# KiCad board OLD_PCB.kicad_pcb (continued)
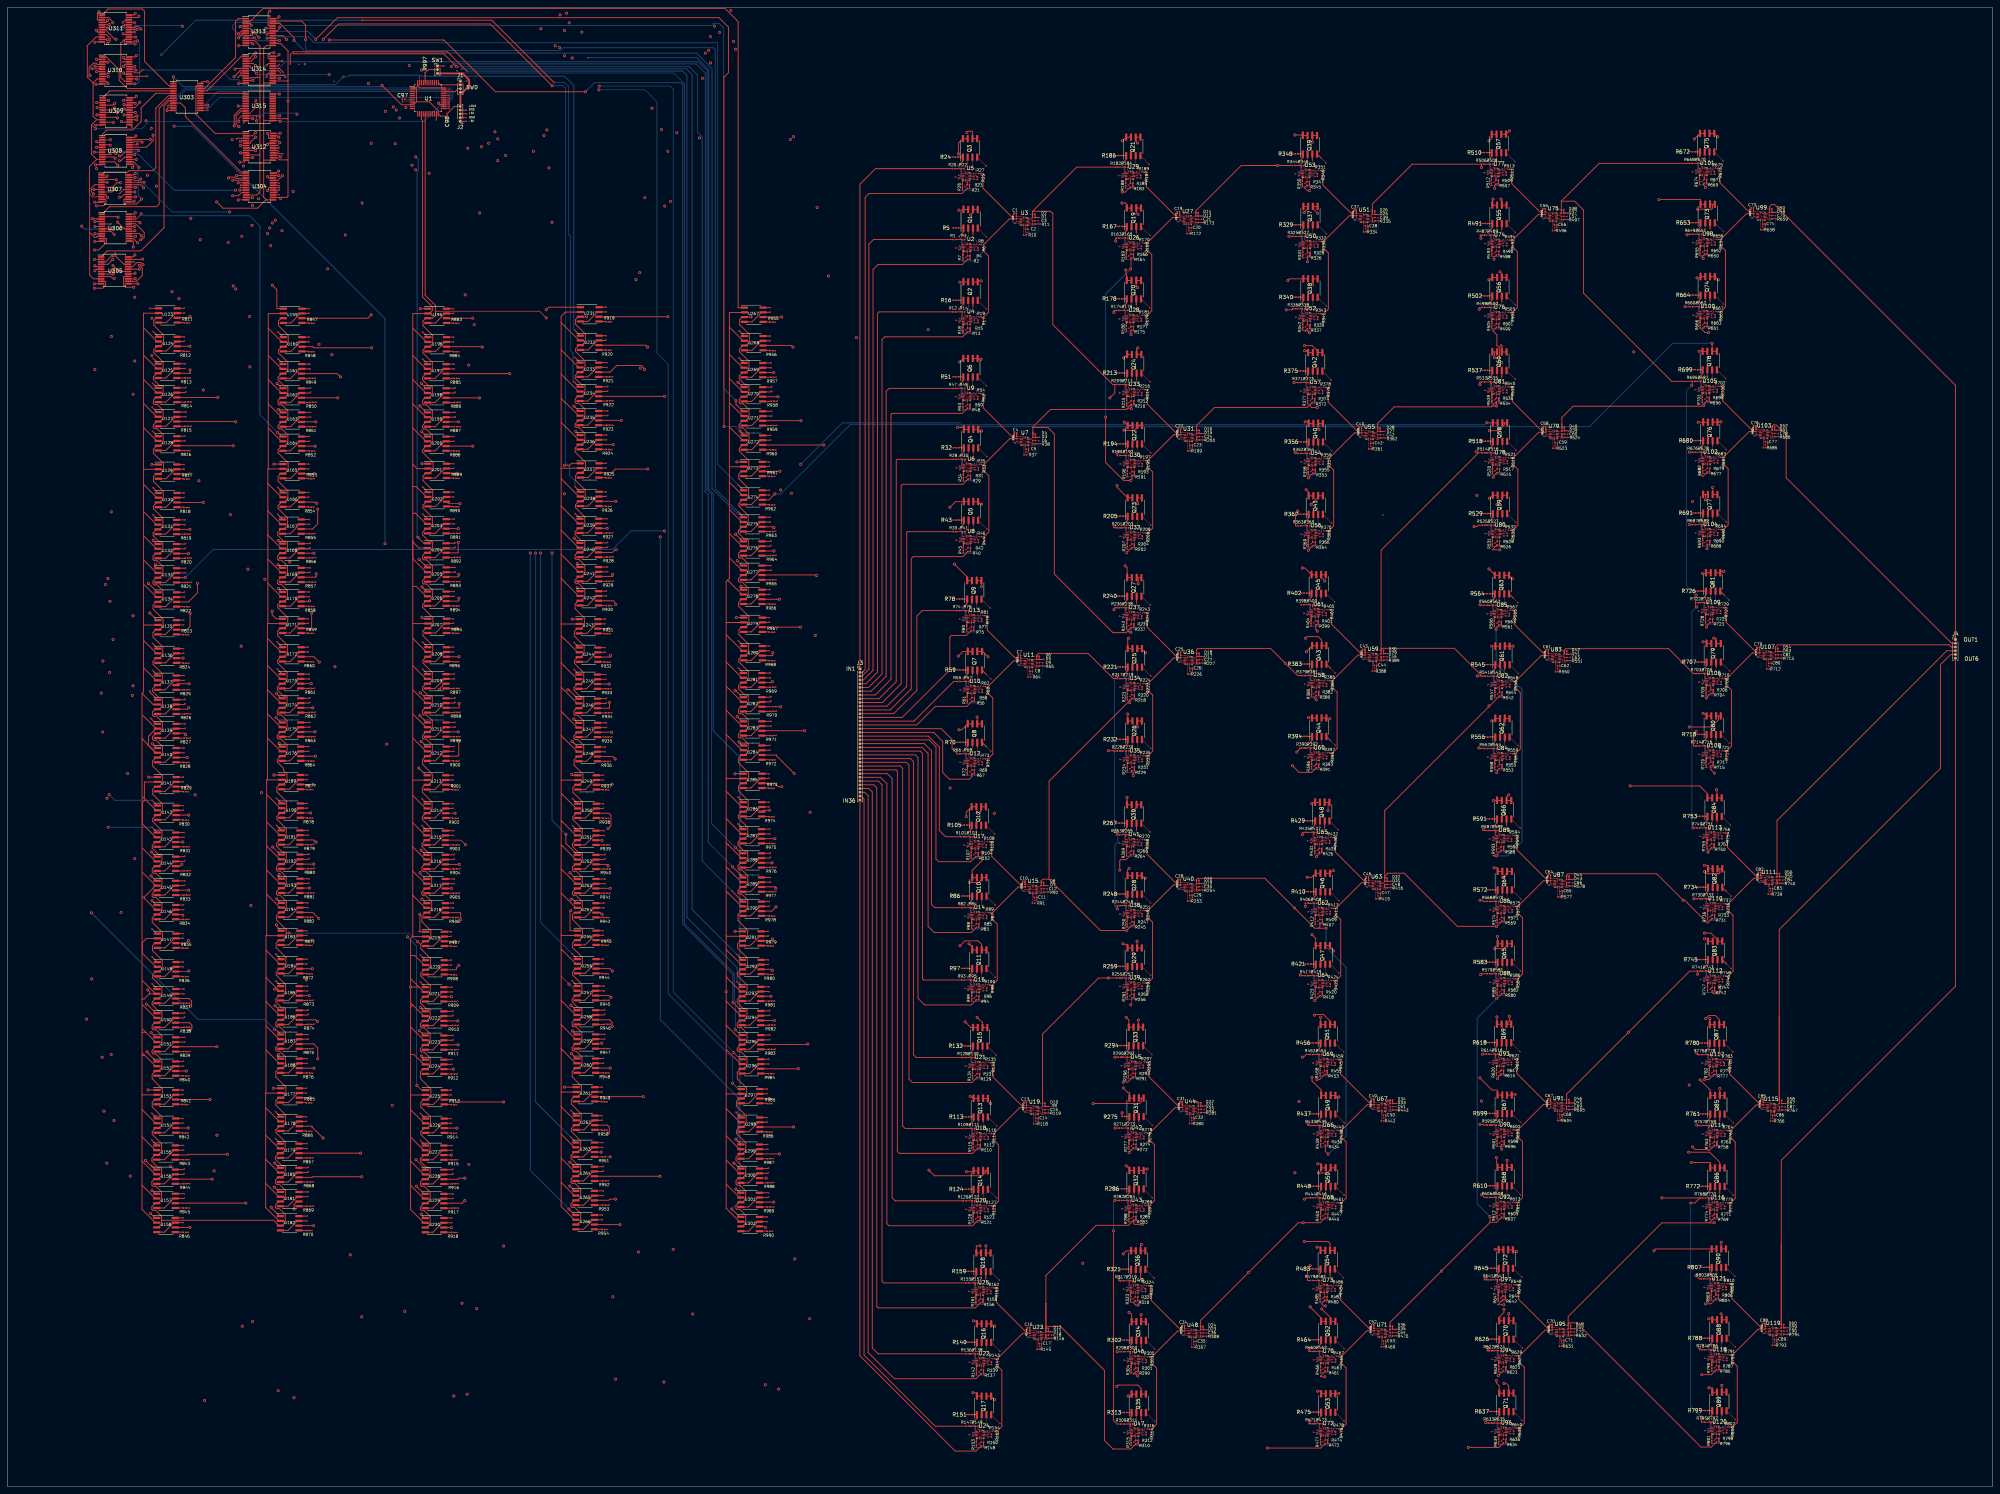
[diagram p0: board, top side]
## Routing (per net, layer and track width the routed paths; a pad name or vN(x,y) marks a point on that pad's centre or on a via; arc(x,y) is an arc through that point) (continued)
  Top w0.25: 398.37,193.36 398.37,193.36 R555.2
  In1.Cu w0.1: v1(403.4,197.78) 403.4,193.78 401.9,192.28 v1(397.8,192.28)
Net-(Q62B-S2): length 8.8
  Top w0.1: Q62.3 399.78,197.67 400.72,196.73 400.72,195.69 400.39,195.35 ; U84.11 399.13,195.35 400.39,195.35 ; 400.39,195.35 400.64,195.35 R557.2
  Top w0.25: 399.78,198.91 Q62.3
Net-(Q63A-G1): length 4.8
  Top w0.1: Q63.2 398.37,236.3 R562.2 397.42,234.53 U85.14
Net-(Q63A-S1): length 9.4
  Top w0.1: v1(395.95,232.63) 396.19,232.63 396.38,232.82 397.03,232.82 U85.4
  Top w0.25: v1(395.85,236.15) 397.1,237.39 Q63.1 397.06,238.45 R564.2
  Bottom w0.25: v1(395.85,236.15) 396.56,235.44 396.56,233.24 v1(395.95,232.63)
Net-(Q63B-G2): length 17.5
  Top w0.1: U85.7 398.23,232.22 398.23,231.03 397.75,230.55 v1(397.65,230.55) ; v1(403.25,236.05) 403.25,236.06 400.91,238.41
  Top w0.25: 402.08,237.23 Q63.4 ; 397.99,230.79 R563.2
  In1.Cu w0.1: v1(397.65,230.55) 401.75,230.55 403.25,232.05 v1(403.25,236.05)
Net-(Q63B-S2): length 7.6
  Top w0.1: Q63.3 399.64,235.93 400.58,234.99 400.58,233.95 400.24,233.61 ; U85.11 398.99,233.61 400.24,233.61 ; 400.24,233.61 400.5,233.61 R565.2
Net-(Q64A-G1): length 4.8
  Top w0.1: Q64.2 399.12,157.21 398.17,156.26 R570.2 398.17,155.45 398.57,155.05
Net-(Q64A-S1): length 9.4
  Top w0.1: v1(396.71,153.55) 396.95,153.55 397.13,153.74 397.78,153.74 U86.4
  Top w0.25: R572.2 397.82,159.36 Q64.1 397.85,158.31 v1(396.61,157.06)
  Bottom w0.25: v1(396.71,153.55) 397.31,154.16 397.31,156.36 v1(396.61,157.06)
Net-(Q64B-G2): length 15.5
  Top w0.1: v1(398.41,151.46) 398.5,151.46 R571.2 398.98,151.95 398.98,153.14 398.97,153.15 ; Q64.4 404.01,156.98 v1(404.01,156.96)
  In1.Cu w0.1: v1(404.01,156.96) 404.01,152.96 402.51,151.46 v1(398.41,151.46)
Net-(Q64B-S2): length 7.6
  Top w0.1: Q64.3 400.39,156.85 401.33,155.91 401.33,154.87 401,154.53 ; 401,154.53 401.26,154.53 401.74,154.04 ; 401,154.53 399.74,154.53 U86.11
  Top w0.25: 401.74,154.04 R573.2
Net-(Q65A-G1): length 4.8
  Top w0.1: U88.14 398.17,136.12 R581.2 399.12,137.89 Q65.2
Net-(Q65A-S1): length 9.4
  Top w0.1: 397.81,134.38 397.78,134.41 397.13,134.41 396.94,134.23 v1(396.7,134.23)
  Top w0.25: v1(396.6,137.74) 397.85,138.98 Q65.1 397.81,140.04 396.52,140.04 R583.2
  Bottom w0.25: v1(396.6,137.74) 397.31,137.04 397.31,134.83 v1(396.7,134.23)
Net-(Q65B-G2): length 15.5
  Top w0.1: v1(398.4,132.14) 398.5,132.14 R582.2 398.98,133.81 U88.7 ; v1(404,137.64) 404,137.66 Q65.4
  In1.Cu w0.1: v1(398.4,132.14) 402.5,132.14 404,133.64 v1(404,137.64)
Net-(Q65B-S2): length 7.6
  Top w0.1: 400.99,135.2 399.74,135.2 399.71,135.18 ; 400.99,135.2 401.25,135.2 R584.2 ; 400.99,135.2 401.33,135.54 401.33,136.58 400.39,137.52 Q65.3
Net-(Q66A-G1): length 4.9
  Top w0.1: U89.14 398.03,174.38 R589.2 398.98,176.15 398.98,178.26
  Top w0.25: 398.07,175.24 R589.2 ; Q66.2 398.98,178.26
Net-(Q66A-S1): length 9.4
  Top w0.1: v1(396.56,172.49) 396.8,172.49 396.99,172.67 397.64,172.67 U89.4
  Top w0.25: v1(396.46,176) 397.71,177.25 397.71,178.26 Q66.1 397.67,178.3 R591.2
  Bottom w0.25: v1(396.46,176) 397.16,175.3 397.16,173.09 v1(396.56,172.49)
Net-(Q66B-G2): length 15.9
  Top w0.1: 401.52,178.26 403.86,175.92 v1(403.86,175.9) ; v1(398.26,170.4) 398.35,170.4 398.83,170.88 398.83,172.08 U89.7
  Top w0.25: 398.59,170.64 R590.2 ; Q66.4 401.52,178.26
  In1.Cu w0.1: v1(403.86,175.9) 403.86,171.9 402.36,170.4 v1(398.26,170.4)
Net-(Q66B-S2): length 9.3
  Top w0.1: 400.85,173.47 399.59,173.47 U89.11 ; 400.85,173.47 401.19,173.8 401.19,174.84 400.25,175.78 400.25,178.26 ; 400.85,173.47 401.11,173.47 R592.2
  Top w0.25: Q66.3 400.25,176.48
Net-(Q67A-G1): length 4.8
  Top w0.1: Q67.2 399.1,97.49 R597.2 398.15,95.72 U90.14
Net-(Q67A-S1): length 9.4
  Top w0.1: 397.79,93.98 397.76,94.01 397.11,94.01 396.92,93.83 v1(396.68,93.83)
  Top w0.25: v1(396.58,97.34) 397.83,98.58 Q67.1 397.79,99.64 396.5,99.64 R599.2
  Bottom w0.25: v1(396.58,97.34) 397.29,96.64 397.29,94.43 v1(396.68,93.83)
Net-(Q67B-G2): length 15.5
  Top w0.1: Q67.4 403.98,97.26 v1(403.98,97.24) ; v1(398.38,91.74) 398.48,91.74 R598.2 398.96,93.42 U90.7
  In1.Cu w0.1: v1(403.98,97.24) 403.98,93.24 402.48,91.74 v1(398.38,91.74)
Net-(Q67B-S2): length 7.6
  Top w0.1: Q67.3 400.37,97.12 401.31,96.18 401.31,95.14 400.97,94.8 ; R600.2 401.23,94.8 400.97,94.8 ; 400.97,94.8 399.72,94.8 399.69,94.78
Net-(Q68A-G1): length 4.8
  Top w0.1: 399.09,80.28 399.09,78.16 R608.2 398.14,76.4 U92.14
Net-(Q68A-S1): length 9.4
  Top w0.1: v1(396.68,74.5) 396.92,74.5 397.1,74.69 397.75,74.69 397.79,74.65
  Top w0.25: v1(396.58,78.01) 397.82,79.26 397.82,80.28 397.79,80.31 R610.2
  Bottom w0.25: v1(396.58,78.01) 397.28,77.31 397.28,75.11 v1(396.68,74.5)
Net-(Q68B-G2): length 15.5
  Top w0.1: v1(403.98,77.91) 403.98,77.93 401.63,80.28 ; U92.7 398.95,74.09 398.95,72.9 R609.2 398.47,72.41 v1(398.38,72.41)
  In1.Cu w0.1: v1(403.98,77.91) 403.98,73.91 402.48,72.41 v1(398.38,72.41)
Net-(Q68B-S2): length 7.6
  Top w0.1: R611.2 401.23,75.48 400.97,75.48 ; 400.97,75.48 399.71,75.48 399.69,75.45 ; 400.97,75.48 401.3,75.82 401.3,76.86 400.36,77.8 400.36,80.28
Net-(Q69A-G1): length 4.9
  Top w0.1: U93.14 398,114.66 R616.2 398.95,116.42 398.95,118.54
  Top w0.25: Q69.2 398.95,118.54 ; 398.04,115.51 398.04,115.51 R616.2
Net-(Q69A-S1): length 9.4
  Top w0.1: U93.4 397.61,112.95 396.96,112.95 396.77,112.76 v1(396.53,112.76)
  Top w0.25: v1(396.44,116.28) 397.68,117.52 Q69.1 397.64,118.58 R618.2
  Bottom w0.25: v1(396.53,112.76) 397.14,113.37 397.14,115.57 v1(396.44,116.28)
Net-(Q69B-G2): length 15.9
  Top w0.1: U93.7 398.81,112.35 R617.2 398.33,110.68 v1(398.23,110.68) ; v1(403.83,116.18) 403.83,116.19 401.49,118.54
  Top w0.25: Q69.4 401.49,118.54 ; 398.57,110.92 R617.2
  In1.Cu w0.1: v1(398.23,110.68) 402.33,110.68 403.83,112.18 v1(403.83,116.18)
Net-(Q69B-S2): length 9.3
  Top w0.1: 399.54,113.72 399.57,113.74 400.82,113.74 ; Q69.3 400.22,116.06 401.16,115.12 401.16,114.08 400.82,113.74 ; 401.57,113.25 R619.2 401.08,113.74 400.82,113.74
  Top w0.25: 400.22,116.76 400.22,116.76 Q69.3
Net-(Q70A-G1): length 4.8
  Top w0.1: 399.01,35.05 398.61,35.45 R624.2 398.61,36.26 399.56,37.21 Q70.2
Net-(Q70A-S1): length 9.4
  Top w0.1: v1(397.15,33.55) 397.39,33.55 397.57,33.74 398.22,33.74 U94.4
  Top w0.25: R626.2 398.26,39.36 Q70.1 398.29,38.31 v1(397.05,37.06)
  Bottom w0.25: v1(397.05,37.06) 397.75,36.36 397.75,34.16 v1(397.15,33.55)
Net-(Q70B-G2): length 15.5
  Top w0.1: v1(404.45,36.96) 404.45,36.98 Q70.4 ; 399.41,33.15 399.42,33.14 399.42,31.95 R625.2 398.94,31.46 v1(398.85,31.46)
  In1.Cu w0.1: v1(398.85,31.46) 402.95,31.46 404.45,32.96 v1(404.45,36.96)
Net-(Q70B-S2): length 7.6
  Top w0.1: 401.44,34.53 401.77,34.87 401.77,35.91 400.83,36.85 Q70.3 ; 401.44,34.53 401.7,34.53 402.18,34.04 ; 401.44,34.53 400.18,34.53 U94.11
  Top w0.25: 402.18,34.04 R627.2
Net-(Q71A-G1): length 4.8
  Top w0.1: U96.14 398.61,16.12 R635.2 399.56,17.89 Q71.2
Net-(Q71A-S1): length 9.4
  Top w0.1: 398.25,14.38 398.22,14.41 397.57,14.41 397.38,14.23 v1(397.14,14.23)
  Top w0.25: v1(397.04,17.74) 398.29,18.98 Q71.1 398.25,20.04 396.96,20.04 R637.2
  Bottom w0.25: v1(397.04,17.74) 397.75,17.04 397.75,14.83 v1(397.14,14.23)
Net-(Q71B-G2): length 15.5
  Top w0.1: Q71.4 404.44,17.66 v1(404.44,17.64) ; U96.7 399.42,13.81 R636.2 398.94,12.14 v1(398.84,12.14)
  In1.Cu w0.1: v1(398.84,12.14) 402.94,12.14 404.44,13.64 v1(404.44,17.64)
Net-(Q71B-S2): length 7.6
  Top w0.1: 401.43,15.2 401.69,15.2 R638.2 ; 401.43,15.2 400.18,15.2 400.15,15.18 ; 401.43,15.2 401.77,15.54 401.77,16.58 400.83,17.52 Q71.3
Net-(Q72A-G1): length 4.9
  Top w0.1: 399.42,58.26 399.42,56.15 R643.2 398.47,54.38 U97.14
  Top w0.25: Q72.2 399.42,58.26 ; 398.51,55.24 R643.2
Net-(Q72A-S1): length 9.4
  Top w0.1: v1(397,52.49) 397.24,52.49 397.43,52.67 398.08,52.67 U97.4
  Top w0.25: v1(396.9,56) 398.15,57.25 398.15,58.26 Q72.1 398.11,58.3 R645.2
  Bottom w0.25: v1(396.9,56) 397.6,55.3 397.6,53.09 v1(397,52.49)
Net-(Q72B-G2): length 15.9
  Top w0.1: 401.96,58.26 404.3,55.92 v1(404.3,55.9) ; v1(398.7,50.4) 398.79,50.4 399.27,50.88 399.27,52.08 U97.7
  Top w0.25: 399.03,50.64 R644.2 ; Q72.4 401.96,58.26
  In1.Cu w0.1: v1(398.7,50.4) 402.8,50.4 404.3,51.9 v1(404.3,55.9)
Net-(Q72B-S2): length 9.3
  Top w0.1: U97.11 400.03,53.47 401.29,53.47 ; R646.2 401.55,53.47 401.29,53.47 ; 400.69,58.26 400.69,55.78 401.62,54.84 401.62,53.8 401.29,53.47
  Top w0.25: Q72.3 400.69,56.48
Net-(Q73A-G1): length 4.8
  Top w0.1: 452.76,333.22 452.36,333.61 R651.2 453.31,335.38 Q73.2
Net-(Q73A-S1): length 9.4
  Top w0.1: v1(450.9,331.72) 451.14,331.72 451.32,331.9 451.97,331.9 U98.4
  Top w0.25: R653.2 452.01,337.53 Q73.1 452.04,336.47 v1(450.8,335.23)
  Bottom w0.25: v1(450.8,335.23) 451.5,334.52 451.5,332.32 v1(450.9,331.72)
Net-(Q73B-G2): length 15.7
  Top w0.1: Q73.4 455.88,337.47 458.2,335.14 v1(458.2,335.13) ; 453.16,331.32 453.17,331.3 R652.2 452.69,329.63 v1(452.6,329.63)
  Top w0.25: 453.07,330 R652.2 ; Q73.4 455.88,337.47
  In1.Cu w0.1: v1(458.2,335.13) 458.2,331.13 456.7,329.63 v1(452.6,329.63)
Net-(Q73B-S2): length 9.1
  Top w0.1: Q73.3 454.58,335.01 455.52,334.07 455.52,333.03 455.19,332.69 ; 455.93,332.21 455.44,332.69 455.19,332.69 ; U98.11 453.93,332.69 455.19,332.69
  Top w0.25: Q73.3 454.58,335.96
Net-(Q74A-G1): length 4.8
  Top w0.1: U100.14 452.36,314.29 R662.2 453.31,316.05 453.31,318.16
  Top w0.25: Q74.2 453.31,318.16
Net-(Q74A-S1): length 9.4
  Top w0.1: U100.4 451.97,312.58 451.32,312.58 451.13,312.39 v1(450.89,312.39)
  Top w0.25: R664.2 452,318.2 Q74.1 452.04,317.15 v1(450.79,315.9)
  Bottom w0.25: v1(450.79,315.9) 451.5,315.2 451.5,313 v1(450.89,312.39)
Net-(Q74B-G2): length 15.7
  Top w0.1: v1(458.19,315.8) 458.19,315.82 455.87,318.14 455.85,318.16 ; U100.7 453.17,311.98 R663.2 452.69,310.3 v1(452.59,310.3)
  Top w0.25: Q74.4 455.87,318.14 ; 453.06,310.68 R663.2
  In1.Cu w0.1: v1(458.19,315.8) 458.19,311.8 456.69,310.3 v1(452.59,310.3)
Net-(Q74B-S2): length 9.1
  Top w0.1: 455.18,313.37 453.93,313.37 U100.11 ; 455.18,313.37 455.44,313.37 R665.2 ; 455.18,313.37 455.52,313.7 455.52,314.75 454.58,315.69 Q74.3
  Top w0.25: Q74.3 454.58,316.63 454.58,316.63
Net-(Q75A-G1): length 4.8
  Top w0.1: 452.61,352.15 452.21,352.55 R670.2 453.16,354.31 Q75.2
Net-(Q75A-S1): length 9.4
  Top w0.1: v1(450.75,350.65) 450.99,350.65 451.17,350.84 451.82,350.84 U101.4
  Top w0.25: R672.2 451.86,356.46 Q75.1 451.89,355.41 v1(450.65,354.16)
  Bottom w0.25: v1(450.65,354.16) 451.35,353.46 451.35,351.26 v1(450.75,350.65)
Net-(Q75B-G2): length 16.1
  Top w0.1: Q75.4 458.05,354.08 v1(458.05,354.06) ; 453.01,350.25 453.02,350.24 453.02,349.04 452.54,348.56 v1(452.45,348.56)
  Top w0.25: 453.02,349.64 453.02,349.64 R671.2
  In1.Cu w0.1: v1(458.05,354.06) 458.05,350.06 456.55,348.56 v1(452.45,348.56)
Net-(Q75B-S2): length 7.9
  Top w0.1: 454.44,356.43 454.44,353.95 455.38,353.01 455.38,351.97 455.04,351.63 ; U101.11 453.78,351.63 455.04,351.63 ; 455.78,351.14 455.3,351.63 455.04,351.63
  Top w0.25: 455.54,351.39 R673.2
Net-(Q76A-G1): length 5.2
  Top w0.1: 453.46,275.02 453.06,275.41 453.06,276.23 454.01,277.18 Q76.2
  Top w0.25: 453.06,275.82 R678.2
Net-(Q76A-S1): length 9.9
  Top w0.1: U102.4 452.67,273.7 452.02,273.7 451.84,273.52 v1(451.6,273.52)
  Top w0.25: 452.74,278.78 452.74,278.27 v1(451.5,277.03) ; 452.74,278.78 Q76.1 ; 452.74,278.78 Q76.1 ; Q76.1 452.71,279.33 451.42,279.33
  Bottom w0.25: v1(451.5,277.03) 452.2,276.32 452.2,274.12 v1(451.6,273.52)
Net-(Q76B-G2): length 15.5
  Top w0.1: v1(458.9,276.93) 458.9,276.94 Q76.4 ; v1(453.3,271.43) 453.39,271.43 R679.2 453.87,273.1 453.86,273.12
  In1.Cu w0.1: v1(453.3,271.43) 457.4,271.43 458.9,272.93 v1(458.9,276.93)
Net-(Q76B-S2): length 8.8
  Top w0.1: U102.11 454.63,274.49 455.89,274.49 ; 455.89,274.49 456.22,274.83 456.22,275.87 455.28,276.81 Q76.3 ; 455.89,274.49 456.14,274.49 456.63,274.01
  Top w0.25: 455.28,278.05 Q76.3
Net-(Q77A-G1): length 6.3
  Top w0.1: 454.01,259.96 454.01,257.85 R689.2 453.06,256.09 U104.14
  Top w0.25: 454.01,258.91 454.01,258.91 Q77.2 ; 453.06,256.49 R689.2
Net-(Q77A-S1): length 9.9
  Top w0.1: v1(451.59,254.19) 451.83,254.19 452.02,254.38 452.67,254.38 452.7,254.34
  Top w0.25: 451.41,260 452.7,260 Q77.1 ; Q77.1 452.74,259.46 ; Q77.1 452.74,259.46 ; v1(451.49,257.7) 452.74,258.95 452.74,259.46
  Bottom w0.25: v1(451.59,254.19) 452.2,254.8 452.2,257 v1(451.49,257.7)
Net-(Q77B-G2): length 15.5
  Top w0.1: Q77.4 458.89,257.62 v1(458.89,257.6) ; v1(453.29,252.1) 453.39,252.1 R690.2 453.87,253.78 U104.7
  In1.Cu w0.1: v1(453.29,252.1) 457.39,252.1 458.89,253.6 v1(458.89,257.6)
Net-(Q77B-S2): length 8.8
  Top w0.1: 455.88,255.17 456.22,255.51 456.22,256.55 455.28,257.49 Q77.3 ; 455.88,255.17 456.14,255.17 R692.2 ; 455.88,255.17 454.63,255.17 454.6,255.14
  Top w0.25: Q77.3 455.28,258.73 455.28,258.73
Net-(Q78A-G1): length 4.8
  Top w0.1: 453.31,293.95 452.91,294.35 R697.2 452.91,295.16 453.86,296.11 453.86,298.23
Net-(Q78A-S1): length 9.4
  Top w0.1: v1(451.45,292.45) 451.69,292.45 451.88,292.64 452.52,292.64 U105.4
  Top w0.25: v1(451.35,295.96) 452.59,297.21 Q78.1 452.56,298.26 R699.2
  Bottom w0.25: v1(451.35,295.96) 452.05,295.26 452.05,293.06 v1(451.45,292.45)
Net-(Q78B-G2): length 15.5
  Top w0.1: v1(458.75,295.86) 458.75,295.88 Q78.4 ; v1(453.15,290.36) 453.24,290.36 R698.2 453.72,290.85 453.72,292.04 453.71,292.05
  In1.Cu w0.1: v1(453.15,290.36) 457.25,290.36 458.75,291.86 v1(458.75,295.86)
Net-(Q78B-S2): length 7.6
  Top w0.1: 455.74,293.43 456.07,293.77 456.07,294.81 455.13,295.75 Q78.3 ; 455.74,293.43 456,293.43 456.48,292.94 ; 455.74,293.43 454.48,293.43 U105.11
  Top w0.25: 456.48,292.94 R700.2
Net-(Q79A-G1): length 4.8
  Top w0.1: U106.14 453.97,216.3 453.97,217.11 R705.2 454.92,218.06 Q79.2
Net-(Q79A-S1): length 9.4
  Top w0.1: v1(452.5,214.4) 452.74,214.4 452.93,214.59 453.58,214.59 U106.4
  Top w0.25: Q79.1 453.65,220.17 ; 453.65,220.17 453.61,220.21 R707.2 ; 453.65,220.17 453.65,219.16 v1(452.4,217.91)
  Bottom w0.25: v1(452.5,214.4) 453.11,215 453.11,217.21 v1(452.4,217.91)
Net-(Q79B-G2): length 16.1
  Top w0.1: U106.7 454.78,213.99 454.78,212.79 454.3,212.31 v1(454.2,212.31) ; Q79.4 459.8,217.83 v1(459.8,217.81)
  Top w0.25: 454.78,213.39 454.78,213.39 R706.2
  In1.Cu w0.1: v1(454.2,212.31) 458.3,212.31 459.8,213.81 v1(459.8,217.81)
Net-(Q79B-S2): length 8.8
  Top w0.1: U106.11 455.54,215.38 456.79,215.38 ; 456.19,220.17 456.19,217.69 457.13,216.75 457.13,215.71 456.79,215.38 ; 456.79,215.38 457.05,215.38 R708.2
  Top w0.25: Q79.3 456.19,218.93 456.19,218.93
Net-(Q80A-G1): length 4.8
  Top w0.1: Q80.2 454.91,198.73 R716.2 453.96,196.97 454.36,196.58
Net-(Q80A-S1): length 9.4
  Top w0.1: 453.61,195.23 453.57,195.26 452.92,195.26 452.74,195.07 v1(452.5,195.07)
  Top w0.25: v1(452.4,198.59) 453.64,199.83 453.64,200.85 ; 453.64,200.85 453.61,200.89 452.32,200.89 ; 453.64,200.85 Q80.1
  Bottom w0.25: v1(452.5,195.07) 453.1,195.68 453.1,197.88 v1(452.4,198.59)
Net-(Q80B-G2): length 16.1
  Top w0.1: Q80.4 459.8,198.5 v1(459.8,198.49) ; 454.76,194.68 454.77,194.66 R717.2 454.29,192.99 v1(454.2,192.99)
  Top w0.25: 454.77,194.06 R717.2
  In1.Cu w0.1: v1(459.8,198.49) 459.8,194.49 458.3,192.99 v1(454.2,192.99)
Net-(Q80B-S2): length 8.8
  Top w0.1: 456.79,196.05 457.12,196.39 457.12,197.43 456.18,198.37 456.18,200.85 ; 456.79,196.05 455.53,196.05 455.51,196.03 ; 456.79,196.05 457.04,196.05 R719.2
  Top w0.25: 456.18,199.61 Q80.3
Net-(Q81A-G1): length 4.8
  Top w0.1: U109.14 453.82,235.23 R724.2 454.77,237 Q81.2
Net-(Q81A-S1): length 9.4
  Top w0.1: 453.46,233.49 453.43,233.52 452.78,233.52 452.59,233.34 v1(452.35,233.34)
  Top w0.25: R726.2 452.17,239.15 453.46,239.15 Q81.1 453.5,238.09 v1(452.25,236.85)
  Bottom w0.25: v1(452.25,236.85) 452.96,236.14 452.96,233.94 v1(452.35,233.34)
Net-(Q81B-G2): length 17.5
  Top w0.1: v1(459.65,236.75) 459.65,236.76 Q81.4 ; U109.7 454.63,232.92 R725.2 454.15,231.25 v1(454.05,231.25)
  Top w0.25: 458.48,237.94 Q81.4 ; 454.39,231.49 R725.2
  In1.Cu w0.1: v1(454.05,231.25) 458.15,231.25 459.65,232.75 v1(459.65,236.75)
Net-(Q81B-S2): length 7.6
  Top w0.1: Q81.3 456.04,236.63 456.98,235.69 456.98,234.65 456.64,234.31 ; 456.64,234.31 456.9,234.31 R727.2 ; 456.64,234.31 455.39,234.31 455.36,234.29
Net-(Q82A-G1): length 4.8
  Top w0.1: U110.14 454.35,156.15 R732.2 455.3,157.91 Q82.2
Net-(Q82A-S1): length 9.4
  Top w0.1: v1(452.89,154.25) 453.13,154.25 453.31,154.44 453.96,154.44 U110.4
  Top w0.25: v1(452.79,157.76) 454.03,159.01 Q82.1 453.99,160.06 R734.2
  Bottom w0.25: v1(452.89,154.25) 453.49,154.85 453.49,157.06 v1(452.79,157.76)
Net-(Q82B-G2): length 17.5
  Top w0.1: U110.7 455.16,153.84 455.16,152.64 454.68,152.16 v1(454.59,152.16) ; v1(460.19,157.66) 460.19,157.68 457.84,160.02
  Top w0.25: 459.01,158.85 Q82.4 ; 454.92,152.4 R733.2
  In1.Cu w0.1: v1(454.59,152.16) 458.69,152.16 460.19,153.66 v1(460.19,157.66)
Net-(Q82B-S2): length 7.6
  Top w0.1: 457.17,155.23 457.51,155.56 457.51,156.61 456.57,157.55 Q82.3 ; 457.17,155.23 457.43,155.23 R735.2 ; 457.17,155.23 455.92,155.23 U110.11
Net-(Q83A-G1): length 4.8
  Top w0.1: 454.74,136.43 454.35,136.82 R743.2 455.3,138.59 Q83.2
Net-(Q83A-S1): length 9.4
  Top w0.1: v1(452.88,134.93) 453.12,134.93 453.31,135.11 453.96,135.11 U112.4
  Top w0.25: R745.2 453.99,140.74 Q83.1 454.03,139.68 v1(452.78,138.44)
  Bottom w0.25: v1(452.78,138.44) 453.48,137.73 453.48,135.53 v1(452.88,134.93)
Net-(Q83B-G2): length 17.5
  Top w0.1: Q83.4 460.18,138.35 v1(460.18,138.34) ; v1(454.58,132.84) 454.67,132.84 455.15,133.32 455.15,134.51 U112.7
  Top w0.25: 454.91,133.08 R744.2 ; 459.01,139.53 Q83.4
  In1.Cu w0.1: v1(460.18,138.34) 460.18,134.34 458.68,132.84 v1(454.58,132.84)
Net-(Q83B-S2): length 7.6
  Top w0.1: 457.17,135.9 457.51,136.24 457.51,137.28 456.57,138.22 Q83.3 ; 457.17,135.9 455.92,135.9 U112.11 ; 457.17,135.9 457.43,135.9 457.91,135.42
  Top w0.25: 457.91,135.42 R746.2
Net-(Q84A-G1): length 6.3
  Top w0.1: Q84.2 455.15,176.85 454.2,175.9 454.2,175.08 U113.14
  Top w0.25: R751.2 454.2,175.49 454.2,175.49 ; 455.15,177.9 Q84.2
Net-(Q84A-S1): length 9.9
  Top w0.15: U113.4 453.39,173.34 453.36,173.31 452.86,173.31 v1(452.74,173.19)
  Top w0.25: v1(452.64,176.7) 453.88,177.94 453.88,178.45 ; Q84.1 453.88,178.45 453.88,178.45 ; 453.88,178.45 453.88,178.96 453.84,179 452.56,179 ; 452.56,179 R753.2 452.56,179
  Bottom w0.25: v1(452.64,176.7) 453.34,175.99 453.34,173.79 v1(452.74,173.19)
Net-(Q84B-G2): length 15.5
  Top w0.1: v1(454.44,171.1) 454.53,171.1 455.01,171.58 455.01,172.77 U113.7 ; Q84.4 460.04,176.62 v1(460.04,176.6)
  In1.Cu w0.1: v1(454.44,171.1) 458.54,171.1 460.04,172.6 v1(460.04,176.6)
Net-(Q84B-S2): length 8.8
  Top w0.1: U113.11 455.77,174.16 457.02,174.16 ; 457.02,174.16 457.28,174.16 R754.2 ; 457.02,174.16 457.36,174.5 457.36,175.54 456.42,176.48 456.42,178.96
  Top w0.25: Q84.3 456.42,177.72 456.42,177.72
Net-(Q85A-G1): length 4.9
  Top w0.1: U114.14 454.97,95.58 R759.2 455.92,97.35 455.92,99.46
  Top w0.25: Q85.2 455.92,99.46 ; 455.01,96.44 R759.2
Net-(Q85A-S1): length 9.4
  Top w0.1: U114.4 454.58,93.87 453.93,93.87 453.74,93.69 v1(453.5,93.69)
  Top w0.25: R761.2 454.61,99.5 Q85.1 454.65,99.46 454.65,98.45 v1(453.4,97.2)
  Bottom w0.25: v1(453.5,93.69) 454.1,94.29 454.1,96.5 v1(453.4,97.2)
Net-(Q85B-G2): length 15.9
  Top w0.1: 458.46,99.46 460.8,97.12 v1(460.8,97.1) ; U114.7 455.77,93.28 455.77,92.08 455.29,91.6 v1(455.2,91.6)
  Top w0.25: Q85.4 458.46,99.46 ; 455.53,91.84 R760.2
  In1.Cu w0.1: v1(460.8,97.1) 460.8,93.1 459.3,91.6 v1(455.2,91.6)
Net-(Q85B-S2): length 9.3
  Top w0.1: 457.79,94.67 458.12,95 458.12,96.04 457.19,96.98 457.19,99.46 ; 457.79,94.67 456.53,94.67 U114.11 ; 457.79,94.67 458.05,94.67 R762.2
  Top w0.25: Q85.3 457.19,97.68
Net-(Q86A-G1): length 4.9
  Top w0.1: 455.91,80.14 455.91,78.02 R770.2 454.96,76.26 U116.14
  Top w0.25: 455,77.11 455,77.11 R770.2 ; Q86.2 455.91,80.14
Net-(Q86A-S1): length 9.4
  Top w0.1: U116.4 454.57,74.55 453.92,74.55 453.73,74.36 v1(453.5,74.36)
  Top w0.25: v1(453.39,77.88) 454.64,79.12 Q86.1 454.6,80.18 R772.2
  Bottom w0.25: v1(453.39,77.88) 454.1,77.17 454.1,74.97 v1(453.5,74.36)
Net-(Q86B-G2): length 15.9
  Top w0.1: v1(460.79,77.78) 460.79,77.79 458.45,80.14 ; v1(455.19,72.28) 455.29,72.28 R771.2 455.77,73.95 455.75,73.97
  Top w0.25: Q86.4 458.45,80.14 ; 455.53,72.52 R771.2
  In1.Cu w0.1: v1(455.19,72.28) 459.29,72.28 460.79,73.78 v1(460.79,77.78)
Net-(Q86B-S2): length 9.3
  Top w0.1: 457.78,75.34 456.53,75.34 U116.11 ; 457.78,75.34 458.04,75.34 R773.2 458.53,74.85 ; 457.78,75.34 458.12,75.68 458.12,76.72 457.18,77.66 Q86.3
  Top w0.25: 457.18,78.36 457.18,78.36 Q86.3
Net-(Q87A-G1): length 4.8
  Top w0.1: 455.77,118.4 455.77,116.29 R778.2 454.82,114.52 455.21,114.13
  Top w0.25: Q87.2 455.77,118.4
Net-(Q87A-S1): length 9.4
  Top w0.1: v1(453.35,112.62) 453.59,112.62 453.78,112.81 454.43,112.81 U117.4
  Top w0.25: v1(453.25,116.14) 454.5,117.38 454.5,118.4 Q87.1 454.46,118.44 453.17,118.44
  Bottom w0.25: v1(453.35,112.62) 453.95,113.23 453.95,115.43 v1(453.25,116.14)
Net-(Q87B-G2): length 15.6
  Top w0.1: v1(460.65,116.04) 460.65,116.05 458.33,118.37 458.31,118.4 ; 455.61,112.23 455.62,112.21 R779.2 455.62,111.02 455.14,110.54 v1(455.05,110.54)
  Top w0.25: Q87.4 458.33,118.38 458.33,118.37
  In1.Cu w0.1: v1(455.05,110.54) 459.15,110.54 460.65,112.04 v1(460.65,116.04)
Net-(Q87B-S2): length 11.4
  Top w0.1: 457.64,113.6 457.9,113.6 R781.2 ; 457.64,113.6 456.38,113.6 U117.11 ; 457.64,113.6 457.98,113.94 457.98,114.98 457.74,115.21 457.04,115.92 457.04,118.4
  Top w0.25: 457.74,115.21 457.04,115.92 Q87.3 ; 458.14,113.36 R781.2
Net-(Q88A-G1): length 6.3
  Top w0.1: U118.14 455.5,35.7 R786.2 456.45,37.46 456.45,39.58
  Top w0.25: 456.45,38.52 456.45,38.52 Q88.2 ; 455.5,36.11 R786.2
Net-(Q88A-S1): length 9.4
  Top w0.1: v1(454.03,33.8) 454.27,33.8 454.46,33.99 455.11,33.99 455.14,33.96
  Top w0.25: 455.16,39.6 Q88.1 ; 455.16,39.6 455.14,39.62 453.85,39.62 R788.2 ; 455.16,39.6 Q88.1 ; Q88.1 455.18,38.56 v1(453.93,37.31)
  Bottom w0.25: v1(454.03,33.8) 454.64,34.41 454.64,36.61 v1(453.93,37.31)
Net-(Q88B-G2): length 15.6
  Top w0.1: v1(455.73,31.72) 455.83,31.72 R787.2 456.31,33.39 U118.7 ; v1(461.33,37.22) 461.33,37.23 459.01,39.55 458.99,39.58
  Top w0.25: Q88.4 459.01,39.55
  In1.Cu w0.1: v1(455.73,31.72) 459.83,31.72 461.33,33.22 v1(461.33,37.22)
Net-(Q88B-S2): length 8.8
  Top w0.1: Q88.3 457.72,37.1 458.66,36.16 458.66,35.12 458.32,34.78 ; 458.32,34.78 458.58,34.78 R789.2 ; 458.32,34.78 457.07,34.78 457.04,34.75
  Top w0.25: Q88.3 457.72,38.34 457.72,38.34
Net-(Q89A-G1): length 6.3
  Top w0.1: U120.14 455.49,16.37 R797.2 456.44,18.14 456.44,20.25
  Top w0.25: 455.49,16.78 R797.2 ; 456.44,19.2 456.44,20.25
Net-(Q89A-S1): length 9.4
  Top w0.1: v1(454.03,14.48) 454.27,14.48 454.45,14.66 455.1,14.66 455.14,14.63
  Top w0.25: v1(453.93,17.99) 455.17,19.24 455.17,20.25 ; R799.2 455.14,20.29 455.15,20.27 ; 455.17,20.25 455.15,20.27 ; 455.17,20.25 455.15,20.27
  Bottom w0.25: v1(453.93,17.99) 454.63,17.29 454.63,15.08 v1(454.03,14.48)
Net-(Q89B-G2): length 15.5
  Top w0.1: v1(455.73,12.39) 455.82,12.39 456.3,12.87 456.3,14.07 U120.7 ; Q89.4 461.33,17.91 v1(461.33,17.89)
  Top w0.25: 458.98,20.25 Q89.4
  In1.Cu w0.1: v1(455.73,12.39) 459.83,12.39 461.33,13.89 v1(461.33,17.89)
Net-(Q89B-S2): length 8.8
  Top w0.1: 457.04,15.43 457.06,15.45 458.32,15.45 ; 457.71,20.25 457.71,17.77 458.65,16.83 458.65,15.79 458.32,15.45 ; R800.2 458.57,15.45 458.32,15.45
  Top w0.25: 457.71,19.01 457.71,20.25
Net-(Q90A-G1): length 4.8
  Top w0.1: U121.14 455.35,54.64 R805.2 456.3,56.4 Q90.2
Net-(Q90A-S1): length 9.4
  Top w0.1: v1(453.88,52.74) 454.12,52.74 454.31,52.93 454.96,52.93 U121.4
  Top w0.25: 455.01,58.53 Q90.1 ; 455.01,58.53 Q90.1 ; 455.01,58.53 454.99,58.55 R807.2 ; Q90.1 455.03,57.5 v1(453.78,56.25)
  Bottom w0.25: v1(453.88,52.74) 454.49,53.34 454.49,55.55 v1(453.78,56.25)
Net-(Q90B-G2): length 16.1
  Top w0.1: Q90.4 461.18,56.17 v1(461.18,56.15) ; v1(455.58,50.65) 455.68,50.65 R806.2 456.16,52.33 U121.7
  Top w0.25: 456.16,51.73 R806.2
  In1.Cu w0.1: v1(455.58,50.65) 459.68,50.65 461.18,52.15 v1(461.18,56.15)
Net-(Q90B-S2): length 7.9
  Top w0.1: 458.17,53.72 458.51,54.05 458.51,55.09 457.57,56.03 Q90.3 ; 458.17,53.72 458.43,53.72 R808.2 ; 458.17,53.72 456.92,53.72 456.89,53.69
  Top w0.25: 458.67,53.47 R808.2
Net-(SW1-B): length 3.7
  Top w0.25: SW1.2 112.38,378.4 R997.2
Net-(U1-BOOT0): length 2
  Top w0.25: R997.1 111.52,376.86 U1.44
Net-(U1-VDD): length 26.2
  Top w0.25: 108.92,373.5 109.2,373.22 109.2,369.8 ; 108.92,373.5 108.91,373.51 108.51,373.51 ; 108.92,373.5 109,373.5 109.52,374.02 109.52,374.12 ; 108.92,373.5 108.12,373.5 U1.1 ; 108.51,373.51 U1.1 ; 108.51,373.51 U1.1 ; 109.2,369.8 108.91,369.51 U1.9 ; 109.2,369.8 112.62,369.8 115.02,367.4 U1.24 115.64,365.98 C98.1 ; 109.52,374.12 110.13,373.51 U1.36 ; 109.52,374.12 U1.48
Net-(U2A--): length 3.3
  Top w0.1: R3.1 254.92,331.95 U2.1
  Top w0.25: R3.1 254.92,333.03 R1.2
Net-(U2B--): length 2.8
  Top w0.1: U2.6 255.36,329.92 U2.5
  Top w0.25: R7.1 255.12,329.36 255.12,329.36 ; 255.12,329.36 255.12,329.98 255.18,330.04 255.21,330.04 ; 255.12,329.36 255.12,328.75
